# Altium PCB LKS_Motor_0313.PcbDoc (part 2 of 4)
Units mm, origin at the board's own origin, x right, y up, seen from the top; angles counter-clockwise.
Board outline 109.77 x 15.02 mm, 2 copper layers (Top Layer, Bottom Layer); 107 components, 73 nets, 326 pads, 198 vias.
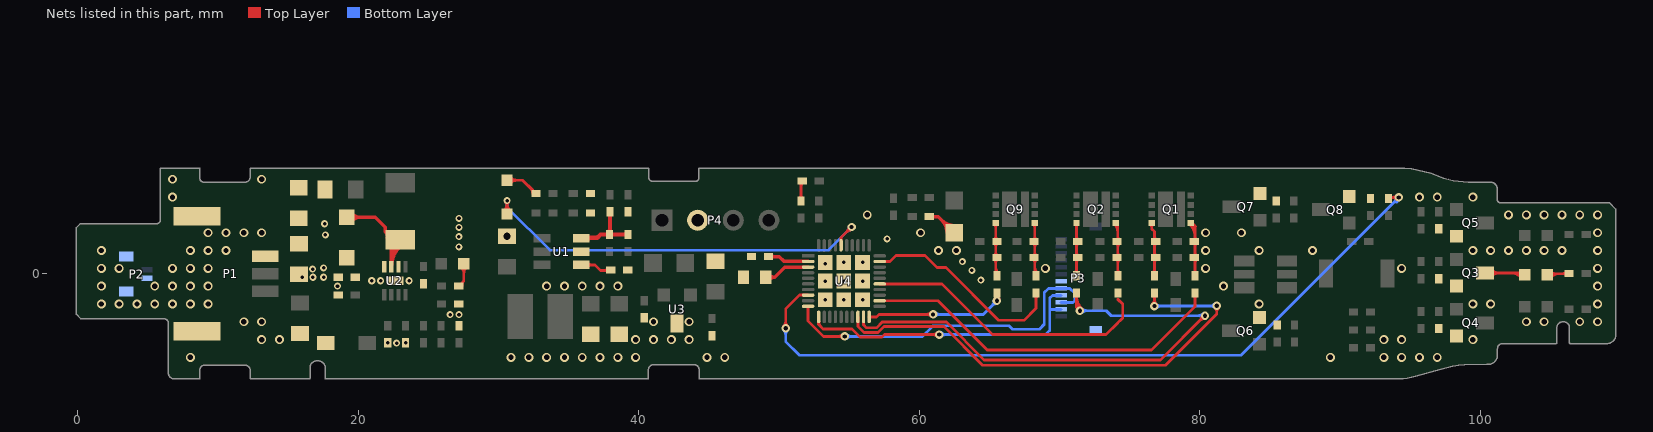
[diagram p2: the nets of this part, all layers, seen from the top]

## Via types
v1: diameter 0.635, hole 0.381, Top Layer to Bottom Layer, tented both sides, 102 vias
v2: diameter 0.6, hole 0.3, Top Layer to Bottom Layer, tented both sides, 36 vias
v3: diameter 0.508, hole 0.254, Top Layer to Bottom Layer, tented both sides, 19 vias
v4: diameter 0.762, hole 0.508, Top Layer to Bottom Layer, 10 vias
v5: diameter 0.5, hole 0.25, Top Layer to Bottom Layer, tented both sides, 8 vias
v6: diameter 0.6, hole 0.3, Top Layer to Bottom Layer, 6 vias
v7: diameter 0.508, hole 0.254, Top Layer to Bottom Layer, 5 vias
v8: diameter 0.5, hole 0.25, Top Layer to Bottom Layer, 4 vias
v9: diameter 0.762, hole 0.508, Top Layer to Bottom Layer, tented both sides, 4 vias
v10: diameter 0.762, hole 0.457, Top Layer to Bottom Layer, tented both sides, 3 vias
v11: diameter 0.508, hole 0.3, Top Layer to Bottom Layer, tented both sides, 1 vias

## Nets (pads, with @x,y where several pads share a name; then routed paths per layer and width w, separated by ;. In a path a pad name is that pad's centre, name@x,y a point inside that pad or via, vN(x,y) a via of type N, cw(c..) or ccw(c..) an arc to the next point about the centre after c; other vN are vias at no path point) (continued)
DCDC_EN: D3.1 U4.36 | length 44.8
  Top Layer w0.2: D3.1@30.607,4.261 v3(30.607,5.207) ; U4.36@54.42,2.02 54.42,2.579 v2(55.169,3.327) ; D3.1@30.395,4.473 ccw(c29.883,4.985) v3@30.607,4.985 ; D3.1@30.395,4.473 ccw(c29.883,4.985) v3@30.607,4.985 ; D3.1@30.395,4.473 ccw(c29.883,4.985) v3@30.607,4.985 ; D3.1@30.395,4.473 ccw(c29.883,4.985) v3@30.607,4.985 ; v3@30.498,5.098 cw(c30.235,4.835) 30.607,4.835 ; v3@30.498,5.098 cw(c30.235,4.835) 30.607,4.835 ; v3@30.498,5.098 cw(c30.235,4.835) 30.607,4.835 ; v3@30.498,5.098 cw(c30.235,4.835) 30.607,4.835 ; 30.607,4.835 cw(c30.979,4.835) v3@30.716,5.098 ; 30.607,4.835 cw(c30.979,4.835) v3@30.716,5.098 ; 30.607,4.835 cw(c30.979,4.835) v3@30.716,5.098 ; 30.607,4.835 cw(c30.979,4.835) v3@30.716,5.098 ; v3@30.607,4.985 ccw(c31.331,4.985) D3.1@30.819,4.473 ; v3@30.607,4.985 ccw(c31.331,4.985) D3.1@30.819,4.473 ; v3@30.607,4.985 ccw(c31.331,4.985) D3.1@30.819,4.473 ; v3@30.607,4.985 ccw(c31.331,4.985) D3.1@30.819,4.473 ; 54.827,2.986 cw(c55.169,2.645) v2@55.169,3.127 ; 54.827,2.986 ccw(c54.486,3.327) v2@54.969,3.327 ; 54.827,2.986 cw(c55.169,2.645) v2@55.169,3.127 ; 54.827,2.986 ccw(c54.486,3.327) v2@54.969,3.327 ; 54.827,2.986 cw(c55.169,2.645) v2@55.169,3.127 ; 54.827,2.986 ccw(c54.486,3.327) v2@54.969,3.327 ; 54.827,2.986 cw(c55.169,2.645) v2@55.169,3.127 ; 54.827,2.986 ccw(c54.486,3.327) v2@54.969,3.327
  Bottom Layer w0.2: v3(30.607,5.207) 30.607,4.724 33.655,1.676 53.518,1.676 v2(55.169,3.327) ; v3@30.498,5.098 cw(c30.235,4.835) 30.607,4.835 ; v3@30.498,5.098 cw(c30.235,4.835) 30.607,4.835 ; v3@30.498,5.098 cw(c30.235,4.835) 30.607,4.835 ; v3@30.498,5.098 cw(c30.235,4.835) 30.607,4.835 ; 30.607,4.835 cw(c30.979,4.835) v3@30.716,5.098 ; 30.607,4.835 cw(c30.979,4.835) v3@30.716,5.098 ; 30.607,4.835 cw(c30.979,4.835) v3@30.716,5.098 ; 30.607,4.835 cw(c30.979,4.835) v3@30.716,5.098 ; 54.827,2.986 cw(c55.169,2.645) v2@55.169,3.127 ; 54.827,2.986 ccw(c54.486,3.327) v2@54.969,3.327 ; 54.827,2.986 cw(c55.169,2.645) v2@55.169,3.127 ; 54.827,2.986 ccw(c54.486,3.327) v2@54.969,3.327 ; 54.827,2.986 cw(c55.169,2.645) v2@55.169,3.127 ; 54.827,2.986 ccw(c54.486,3.327) v2@54.969,3.327 ; 54.827,2.986 cw(c55.169,2.645) v2@55.169,3.127 ; 54.827,2.986 ccw(c54.486,3.327) v2@54.969,3.327
GND: C1.1 C2.1 C3.1 C4.2 C5.1 C6.1 C10.1 C11.1 C12.1 C14.1 C15.1 C23.1 C24.2 C25.1 C26.2 C27.1 C28.2 C29.1 DS1.2 FU1.1 P1.1 P1.4 P1.5 P2.1 P2.3 P2.4 P3.0/2 P3.7 P4.2 Q3.2 Q4.2 Q5.2 Q6.2 Q7.2 Q8.2 R3.2 R9.2 R11.2 R15.1 R16.2 R30.2 R31.2 R35.2 R36.2 R37.2 R38.2 R46.2 R47.1 R49.2 U1.2 U2.2 U2.9 U3.3 U4.0 | length 21.8
  Top Layer w0.24: C27.1@51.562,5.182 51.562,6.514 R49.2@51.652,6.604 ; R47.1@60.708,4.064 61.341,4.064 FU1.1@62.484,2.921 ; C27.1@51.467,5.353 ccw(c51.238,5.581) 51.562,5.581 ; C27.1@51.467,5.353 ccw(c51.238,5.581) 51.562,5.581 ; C27.1@51.467,5.353 ccw(c51.238,5.581) 51.562,5.581 ; C27.1@51.467,5.353 ccw(c51.238,5.581) 51.562,5.581 ; R49.2@51.481,6.509 cw(c51.287,6.315) 51.562,6.315 ; R49.2@51.481,6.509 cw(c51.287,6.315) 51.562,6.315 ; R49.2@51.481,6.509 cw(c51.287,6.315) 51.562,6.315 ; R49.2@51.481,6.509 cw(c51.287,6.315) 51.562,6.315 ; 51.562,5.581 ccw(c51.886,5.581) C27.1@51.657,5.353 ; 51.562,5.581 ccw(c51.886,5.581) C27.1@51.657,5.353 ; 51.562,5.581 ccw(c51.886,5.581) C27.1@51.657,5.353 ; 51.562,5.581 ccw(c51.886,5.581) C27.1@51.657,5.353 ; 51.562,6.246 cw(c51.934,6.246) R49.2@51.671,6.509 ; 51.562,6.246 cw(c51.934,6.246) R49.2@51.671,6.509 ; 51.562,6.246 cw(c51.934,6.246) R49.2@51.671,6.509 ; 51.562,6.246 cw(c51.934,6.246) R49.2@51.671,6.509 ; R47.1@60.879,3.969 cw(c61.107,3.74) 61.107,4.064 ; R47.1@60.879,3.969 cw(c61.107,3.74) 61.107,4.064 ; R47.1@60.879,3.969 cw(c61.107,3.74) 61.107,4.064 ; R47.1@60.879,3.969 cw(c61.107,3.74) 61.107,4.064 ; R47.1@60.879,4.159 ccw(c61.107,4.388) 61.107,4.064 ; R47.1@60.879,4.159 ccw(c61.107,4.388) 61.107,4.064 ; R47.1@60.879,4.159 ccw(c61.107,4.388) 61.107,4.064 ; R47.1@60.879,4.159 ccw(c61.107,4.388) 61.107,4.064 ; 61.605,3.8 cw(c60.726,2.921) FU1.1@61.969,2.921 ; 61.605,3.8 ccw(c62.484,4.679) FU1.1@62.484,3.436 ; 61.605,3.8 cw(c60.726,2.921) FU1.1@61.969,2.921 ; 61.605,3.8 ccw(c62.484,4.679) FU1.1@62.484,3.436 ; 61.605,3.8 cw(c60.726,2.921) FU1.1@61.969,2.921 ; 61.605,3.8 ccw(c62.484,4.679) FU1.1@62.484,3.436 ; 61.605,3.8 cw(c60.726,2.921) FU1.1@61.969,2.921 ; 61.605,3.8 ccw(c62.484,4.679) FU1.1@62.484,3.436 ; FU1.1@62.015,3.39 cw(c61.545,2.921) FU1.1@62.209,2.921 ; FU1.1@62.015,3.39 ccw(c62.484,3.86) FU1.1@62.484,3.196 ; FU1.1@62.015,3.39 cw(c61.545,2.921) FU1.1@62.209,2.921 ; FU1.1@62.015,3.39 ccw(c62.484,3.86) FU1.1@62.484,3.196 ; FU1.1@62.015,3.39 cw(c61.545,2.921) FU1.1@62.209,2.921 ; FU1.1@62.015,3.39 ccw(c62.484,3.86) FU1.1@62.484,3.196 ; FU1.1@62.015,3.39 cw(c61.545,2.921) FU1.1@62.209,2.921 ; FU1.1@62.015,3.39 ccw(c62.484,3.86) FU1.1@62.484,3.196
  other v1: 8.026,-5.969 30.886,-5.969 32.156,-5.969 33.426,-5.969 34.696,-5.969 35.966,-5.969 37.236,-5.969 38.506,-5.969 39.776,-5.969 44.856,-5.969 46.126,-5.969 89.306,-5.969 93.116,-5.969 94.386,-5.969 95.656,-5.969 96.926,-5.969 13.106,-4.699 14.376,-4.699 39.776,-4.699 41.046,-4.699 42.316,-4.699 43.586,-4.699 93.116,-4.699 94.386,-4.699 99.466,-4.699 11.836,-3.429 13.106,-3.429 41.046,-3.429 43.586,-3.429 103.276,-3.429 104.546,-3.429 107.086,-3.429 108.356,-3.429 1.676,-2.159 2.946,-2.159 4.216,-2.159 5.486,-2.159 6.756,-2.159 8.026,-2.159 9.296,-2.159 84.226,-2.159 99.466,-2.159 100.736,-2.159 108.356,-2.159 1.676,-0.889 5.486,-0.889 6.756,-0.889 8.026,-0.889 9.296,-0.889 33.426,-0.889 34.696,-0.889 35.966,-0.889 37.236,-0.889 38.506,-0.889 81.686,-0.889 108.356,-0.889 1.676,0.381 2.946,0.381 6.756,0.381 8.026,0.381 9.296,0.381 68.986,0.381 80.416,0.381 94.386,0.381 108.356,0.381 1.676,1.651 8.026,1.651 9.296,1.651 10.566,1.651 61.366,1.651 62.636,1.651 80.416,1.651 84.226,1.651 88.036,1.651 99.466,1.651 100.736,1.651 102.006,1.651 103.276,1.651 104.546,1.651 105.816,1.651 108.356,1.651 9.296,2.921 10.566,2.921 11.836,2.921 13.106,2.921 60.096,2.921 80.416,2.921 82.956,2.921 108.356,2.921 56.286,4.191 102.006,4.191 103.276,4.191 104.546,4.191 105.816,4.191 107.086,4.191 108.356,4.191 6.756,5.461 95.656,5.461 96.926,5.461 99.466,5.461 6.756,6.731 13.106,6.731
  other v3: 26.543,-2.921 27.178,-2.921 53.29,-1.86 54.62,-1.86 55.95,-1.86 53.29,-0.53 54.62,-0.53 55.95,-0.53 20.955,-0.508 17.526,-0.254 53.29,0.698 54.62,0.8 55.95,0.8 17.653,2.769 27.178,3.302 17.602,3.556 27.178,3.937
  other v4: 30.607,2.667
  other v5: 64.389,-0.457 63.754,0.229 17.526,0.406 63.068,0.864 27.178,1.905 57.709,2.489 27.178,2.642
  other v7: 22.733,-4.953 21.59,-0.508 23.622,-0.508 16.002,-0.254 16.764,-0.254
  other v8: 22.098,-4.928 23.368,-4.928 18.517,-0.889 16.739,0.33
GREEN: R34.2 U4.8 | length 67.6
  Top Layer w0.2: v2(50.47,-3.886) 50.47,-2.515 51.454,-1.53 U4.8@52.07,-1.53 ; R34.2@93.447,5.359 93.523,5.436 v2(94.183,5.436) ; v2@50.328,-3.745 ccw(c49.987,-3.403) 50.47,-3.403 ; v2@50.328,-3.745 ccw(c49.987,-3.403) 50.47,-3.403 ; v2@50.328,-3.745 ccw(c49.987,-3.403) 50.47,-3.403 ; v2@50.328,-3.745 ccw(c49.987,-3.403) 50.47,-3.403 ; 50.47,-3.403 ccw(c50.953,-3.403) v2@50.611,-3.745 ; 50.47,-3.403 ccw(c50.953,-3.403) v2@50.611,-3.745 ; 50.47,-3.403 ccw(c50.953,-3.403) v2@50.611,-3.745 ; 50.47,-3.403 ccw(c50.953,-3.403) v2@50.611,-3.745 ; R34.2@93.555,5.327 cw(c93.818,5.064) 93.818,5.436 ; R34.2@93.555,5.327 cw(c93.818,5.064) 93.818,5.436 ; R34.2@93.555,5.327 cw(c93.818,5.064) 93.818,5.436 ; R34.2@93.555,5.327 cw(c93.818,5.064) 93.818,5.436 ; R34.2@93.555,5.544 ccw(c93.818,5.807) 93.818,5.436 ; R34.2@93.555,5.544 ccw(c93.818,5.807) 93.818,5.436 ; R34.2@93.555,5.544 ccw(c93.818,5.807) 93.818,5.436 ; R34.2@93.555,5.544 ccw(c93.818,5.807) 93.818,5.436 ; R34.2@93.7,5.436 cw(c93.7,4.953) 94.042,5.294 ccw(c93.7,4.953) R34.2@93.7,5.436 ; R34.2@93.7,5.436 ccw(c93.7,5.918) 94.042,5.577 cw(c93.7,5.918) R34.2@93.7,5.436 ; 93.878,5.436 cw(c93.878,4.953) 94.22,5.294 ccw(c93.878,4.953) 93.878,5.436 ; 93.878,5.436 ccw(c93.878,5.918) 94.22,5.577 cw(c93.878,5.918) 93.878,5.436
  Bottom Layer w0.2: v2(50.47,-3.886) 50.47,-4.826 51.46,-5.817 82.931,-5.817 v2(94.183,5.436) ; v2@50.328,-4.028 cw(c49.987,-4.369) 50.47,-4.369 ; v2@50.328,-4.028 cw(c49.987,-4.369) 50.47,-4.369 ; v2@50.328,-4.028 cw(c49.987,-4.369) 50.47,-4.369 ; v2@50.328,-4.028 cw(c49.987,-4.369) 50.47,-4.369 ; 50.47,-4.369 cw(c50.953,-4.369) v2@50.611,-4.028 ; 50.47,-4.369 cw(c50.953,-4.369) v2@50.611,-4.028 ; 50.47,-4.369 cw(c50.953,-4.369) v2@50.611,-4.028 ; 50.47,-4.369 cw(c50.953,-4.369) v2@50.611,-4.028 ; 93.842,5.094 cw(c94.183,4.753) 94.183,5.236 ccw(c94.183,4.753) 93.842,5.094 ; 93.842,5.094 ccw(c93.5,5.436) 93.983,5.436 cw(c93.5,5.436) 93.842,5.094 ; 94.02,5.094 ccw(c93.678,5.436) 94.161,5.436 cw(c93.678,5.436) 94.02,5.094
HO1: R39.2 U4.29 | length 17
  Top Layer w0.2: U4.29@57.17,0.87 57.918,0.87 58.344,1.295 60.401,1.295 61.262,0.435 61.897,0.435 65.659,-3.327 67.462,-3.327 68.326,-2.464 R39.2@68.326,-1.372 ; R39.2@68.217,-1.557 cw(c67.954,-1.82) 68.326,-1.82 ; R39.2@68.217,-1.557 cw(c67.954,-1.82) 68.326,-1.82 ; R39.2@68.217,-1.557 cw(c67.954,-1.82) 68.326,-1.82 ; R39.2@68.217,-1.557 cw(c67.954,-1.82) 68.326,-1.82 ; 68.326,-1.82 cw(c68.698,-1.82) R39.2@68.435,-1.557 ; 68.326,-1.82 cw(c68.698,-1.82) R39.2@68.435,-1.557 ; 68.326,-1.82 cw(c68.698,-1.82) R39.2@68.435,-1.557 ; 68.326,-1.82 cw(c68.698,-1.82) R39.2@68.435,-1.557
HO2: R17.2 U4.25 | length 21
  Top Layer w0.2: U4.25@57.17,-0.73 61.614,-0.73 65.227,-4.343 73.304,-4.343 74.144,-3.504 ; 73.977,-3.67 74.498,-3.15 74.498,-2.174 74.144,-1.82
HO3: R4.2 U4.22 | length 28.5
  Top Layer w0.2: U4.22@57.17,-1.93 61.341,-1.93 64.846,-5.436 76.556,-5.436 79.65,-2.342 R4.2@79.65,-1.372 ; R4.2@79.541,-1.557 cw(c79.278,-1.82) 79.65,-1.82 ; R4.2@79.541,-1.557 cw(c79.278,-1.82) 79.65,-1.82 ; R4.2@79.541,-1.557 cw(c79.278,-1.82) 79.65,-1.82 ; R4.2@79.541,-1.557 cw(c79.278,-1.82) 79.65,-1.82 ; 79.65,-1.82 cw(c80.021,-1.82) R4.2@79.758,-1.557 ; 79.65,-1.82 cw(c80.021,-1.82) R4.2@79.758,-1.557 ; 79.65,-1.82 cw(c80.021,-1.82) R4.2@79.758,-1.557 ; 79.65,-1.82 cw(c80.021,-1.82) R4.2@79.758,-1.557
LH_OUT_01: P3.8 P3.10 U4.10 | length 31.4
  Top Layer w0.2: U4.10@52.07,-2.33 52.07,-3.378 53.162,-4.47 v2(54.686,-4.47) ; 54.203,-4.47 cw(c54.203,-4.953) v2@54.545,-4.612 ; 54.203,-4.47 ccw(c54.203,-3.988) v2@54.545,-4.329 ; 54.203,-4.47 cw(c54.203,-4.953) v2@54.545,-4.612 ; 54.203,-4.47 ccw(c54.203,-3.988) v2@54.545,-4.329 ; 54.203,-4.47 cw(c54.203,-4.953) v2@54.545,-4.612 ; 54.203,-4.47 ccw(c54.203,-3.988) v2@54.545,-4.329 ; 54.203,-4.47 cw(c54.203,-4.953) v2@54.545,-4.612 ; 54.203,-4.47 ccw(c54.203,-3.988) v2@54.545,-4.329
  Bottom Layer w0.2: v2(54.686,-4.47) 60.223,-4.47 60.617,-4.077 ; 60.477,-4.216 60.617,-4.077 ; P3.10@70.104,-2.048 70.952,-2.048 71.095,-1.905 71.095,-1.422 70.72,-1.048 P3.8@70.104,-1.048 69.208,-1.048 68.91,-1.346 68.91,-3.607 68.555,-3.962 66.65,-3.962 66.396,-3.708 60.985,-3.708 60.617,-4.077 ; v2@54.828,-4.612 cw(c55.169,-4.953) 55.169,-4.47 ; v2@54.828,-4.612 cw(c55.169,-4.953) 55.169,-4.47 ; v2@54.828,-4.612 cw(c55.169,-4.953) 55.169,-4.47 ; v2@54.828,-4.612 cw(c55.169,-4.953) 55.169,-4.47 ; v2@54.828,-4.329 ccw(c55.169,-3.988) 55.169,-4.47 ; v2@54.828,-4.329 ccw(c55.169,-3.988) 55.169,-4.47 ; v2@54.828,-4.329 ccw(c55.169,-3.988) 55.169,-4.47 ; v2@54.828,-4.329 ccw(c55.169,-3.988) 55.169,-4.47
LH_OUT_02: P3.9 P3.11 U4.11 | length 29.4
  Top Layer w0.2: U4.11@52.82,-3.08 52.82,-3.62 53.137,-3.937 55.194,-3.937 55.778,-4.521 57.328,-4.521 57.506,-4.343 v2(61.417,-4.343) ; U4.11@52.84,-3.41 ccw(c53.396,-3.41) 53.003,-3.803 ; U4.11@52.84,-3.41 ccw(c53.396,-3.41) 53.003,-3.803 ; U4.11@52.84,-3.41 ccw(c53.396,-3.41) 53.003,-3.803 ; U4.11@52.84,-3.41 ccw(c53.396,-3.41) 53.003,-3.803 ; 60.934,-4.343 cw(c60.934,-4.826) v2@61.276,-4.485 ; 60.934,-4.343 ccw(c60.934,-3.861) v2@61.276,-4.202 ; 60.934,-4.343 cw(c60.934,-4.826) v2@61.276,-4.485 ; 60.934,-4.343 ccw(c60.934,-3.861) v2@61.276,-4.202 ; 60.934,-4.343 cw(c60.934,-4.826) v2@61.276,-4.485 ; 60.934,-4.343 ccw(c60.934,-3.861) v2@61.276,-4.202 ; 60.934,-4.343 cw(c60.934,-4.826) v2@61.276,-4.485 ; 60.934,-4.343 ccw(c60.934,-3.861) v2@61.276,-4.202
  Bottom Layer w0.2: v2(61.417,-4.343) 69.012,-4.343 69.291,-4.064 69.291,-2.642 ; P3.11@70.104,-2.548 69.385,-2.548 69.291,-2.642 ; P3.9@70.104,-1.548 69.496,-1.548 69.291,-1.753 69.291,-2.642 ; v2@61.559,-4.485 cw(c61.9,-4.826) 61.9,-4.343 ; v2@61.559,-4.485 cw(c61.9,-4.826) 61.9,-4.343 ; v2@61.559,-4.485 cw(c61.9,-4.826) 61.9,-4.343 ; v2@61.559,-4.485 cw(c61.9,-4.826) 61.9,-4.343 ; v2@61.559,-4.202 ccw(c61.9,-3.861) 61.9,-4.343 ; v2@61.559,-4.202 ccw(c61.9,-3.861) 61.9,-4.343 ; v2@61.559,-4.202 ccw(c61.9,-3.861) 61.9,-4.343 ; v2@61.559,-4.202 ccw(c61.9,-3.861) 61.9,-4.343
LO1: R41.2 U4.20 | length 24.6
  Top Layer w0.2: U4.20@56.42,-3.08 56.947,-3.08 57.125,-2.902 v2(60.979,-2.902) ; v2(65.532,-1.93) R41.2@65.532,-1.372 ; 60.496,-2.902 cw(c60.496,-3.385) v2@60.837,-3.044 ; 60.496,-2.902 ccw(c60.496,-2.419) v2@60.837,-2.761 ; 60.496,-2.902 cw(c60.496,-3.385) v2@60.837,-3.044 ; 60.496,-2.902 ccw(c60.496,-2.419) v2@60.837,-2.761 ; 60.496,-2.902 cw(c60.496,-3.385) v2@60.837,-3.044 ; 60.496,-2.902 ccw(c60.496,-2.419) v2@60.837,-2.761 ; 60.496,-2.902 cw(c60.496,-3.385) v2@60.837,-3.044 ; 60.496,-2.902 ccw(c60.496,-2.419) v2@60.837,-2.761 ; v2@65.391,-1.789 ccw(c65.049,-1.448) R41.2@65.532,-1.448 ; v2@65.391,-1.789 ccw(c65.049,-1.448) R41.2@65.532,-1.448 ; v2@65.391,-1.789 ccw(c65.049,-1.448) R41.2@65.532,-1.448 ; v2@65.391,-1.789 ccw(c65.049,-1.448) R41.2@65.532,-1.448 ; R41.2@65.423,-1.557 cw(c65.16,-1.82) v2@65.532,-1.82 ; R41.2@65.423,-1.557 cw(c65.16,-1.82) v2@65.532,-1.82 ; R41.2@65.423,-1.557 cw(c65.16,-1.82) v2@65.532,-1.82 ; R41.2@65.423,-1.557 cw(c65.16,-1.82) v2@65.532,-1.82 ; v2@65.532,-1.82 cw(c65.904,-1.82) R41.2@65.641,-1.557 ; v2@65.532,-1.82 cw(c65.904,-1.82) R41.2@65.641,-1.557 ; v2@65.532,-1.82 cw(c65.904,-1.82) R41.2@65.641,-1.557 ; v2@65.532,-1.82 cw(c65.904,-1.82) R41.2@65.641,-1.557 ; R41.2@65.532,-1.448 ccw(c66.015,-1.448) v2@65.673,-1.789 ; R41.2@65.532,-1.448 ccw(c66.015,-1.448) v2@65.673,-1.789 ; R41.2@65.532,-1.448 ccw(c66.015,-1.448) v2@65.673,-1.789 ; R41.2@65.532,-1.448 ccw(c66.015,-1.448) v2@65.673,-1.789
  Bottom Layer w0.2: v2(60.979,-2.902) 64.56,-2.902 v2(65.532,-1.93) ; v2@61.12,-3.044 cw(c61.462,-3.385) 61.462,-2.902 ; v2@61.12,-3.044 cw(c61.462,-3.385) 61.462,-2.902 ; v2@61.12,-3.044 cw(c61.462,-3.385) 61.462,-2.902 ; v2@61.12,-3.044 cw(c61.462,-3.385) 61.462,-2.902 ; v2@61.12,-2.761 ccw(c61.462,-2.419) 61.462,-2.902 ; v2@61.12,-2.761 ccw(c61.462,-2.419) 61.462,-2.902 ; v2@61.12,-2.761 ccw(c61.462,-2.419) 61.462,-2.902 ; v2@61.12,-2.761 ccw(c61.462,-2.419) 61.462,-2.902 ; 65.191,-2.272 cw(c65.532,-2.613) v2@65.532,-2.13 ; 65.191,-2.272 ccw(c64.849,-1.93) v2@65.332,-1.93 ; 65.191,-2.272 cw(c65.532,-2.613) v2@65.532,-2.13 ; 65.191,-2.272 ccw(c64.849,-1.93) v2@65.332,-1.93 ; 65.191,-2.272 cw(c65.532,-2.613) v2@65.532,-2.13 ; 65.191,-2.272 ccw(c64.849,-1.93) v2@65.332,-1.93 ; 65.191,-2.272 cw(c65.532,-2.613) v2@65.532,-2.13 ; 65.191,-2.272 ccw(c64.849,-1.93) v2@65.332,-1.93
LO2: R22.2 U4.19 | length 56.4
  Top Layer w0.2: U4.19@56.02,-3.08 56.02,-3.645 56.236,-3.861 56.947,-3.861 57.353,-3.454 61.925,-3.454 64.618,-6.147 77.191,-6.147 80.34,-2.997 v2(80.366,-2.997) ; R22.2@71.196,-1.372 71.196,-2.388 v2(71.45,-2.642) ; R22.2@71.087,-1.557 cw(c70.824,-1.82) 71.196,-1.82 ; R22.2@71.087,-1.557 cw(c70.824,-1.82) 71.196,-1.82 ; R22.2@71.087,-1.557 cw(c70.824,-1.82) 71.196,-1.82 ; R22.2@71.087,-1.557 cw(c70.824,-1.82) 71.196,-1.82 ; 71.196,-2.028 ccw(c72.063,-2.028) v2(71.45,-2.642) ; 71.196,-2.028 ccw(c72.063,-2.028) v2(71.45,-2.642) ; 71.196,-2.028 ccw(c72.063,-2.028) v2(71.45,-2.642) ; 71.196,-2.028 ccw(c72.063,-2.028) v2(71.45,-2.642) ; 71.196,-1.82 cw(c71.568,-1.82) R22.2@71.305,-1.557 ; 71.196,-1.82 cw(c71.568,-1.82) R22.2@71.305,-1.557 ; 71.196,-1.82 cw(c71.568,-1.82) R22.2@71.305,-1.557 ; 71.196,-1.82 cw(c71.568,-1.82) R22.2@71.305,-1.557 ; R22.2@71.196,-1.546 ccw(c72.546,-1.546) v2@71.592,-2.5 ; R22.2@71.196,-1.546 ccw(c72.546,-1.546) v2@71.592,-2.5 ; R22.2@71.196,-1.546 ccw(c72.546,-1.546) v2@71.592,-2.5 ; R22.2@71.196,-1.546 ccw(c72.546,-1.546) v2@71.592,-2.5 ; 79.981,-3.357 cw(c80.366,-3.741) v2@80.366,-3.197 ; 79.981,-3.357 cw(c80.366,-3.741) v2@80.366,-3.197 ; 79.981,-3.357 cw(c80.366,-3.741) v2@80.366,-3.197 ; 79.981,-3.357 cw(c80.366,-3.741) v2@80.366,-3.197 ; 80.042,-3.295 ccw(c79.744,-2.997) v2@80.166,-2.997 ; 80.042,-3.295 ccw(c79.744,-2.997) v2@80.166,-2.997 ; 80.042,-3.295 ccw(c79.744,-2.997) v2@80.166,-2.997 ; 80.042,-3.295 ccw(c79.744,-2.997) v2@80.166,-2.997
  Bottom Layer w0.2: v2(71.45,-2.642) 73.33,-2.642 73.685,-2.997 v2(80.366,-2.997) ; v2@71.592,-2.783 cw(c71.933,-3.124) 71.933,-2.642 ; v2@71.592,-2.783 cw(c71.933,-3.124) 71.933,-2.642 ; v2@71.592,-2.783 cw(c71.933,-3.124) 71.933,-2.642 ; v2@71.592,-2.783 cw(c71.933,-3.124) 71.933,-2.642 ; v2@71.592,-2.5 ccw(c71.933,-2.159) 71.933,-2.642 ; v2@71.592,-2.5 ccw(c71.933,-2.159) 71.933,-2.642 ; v2@71.592,-2.5 ccw(c71.933,-2.159) 71.933,-2.642 ; v2@71.592,-2.5 ccw(c71.933,-2.159) 71.933,-2.642 ; 79.883,-2.997 cw(c79.883,-3.48) v2@80.224,-3.139 ; 79.883,-2.997 ccw(c79.883,-2.514) v2@80.224,-2.856 ; 79.883,-2.997 cw(c79.883,-3.48) v2@80.224,-3.139 ; 79.883,-2.997 ccw(c79.883,-2.514) v2@80.224,-2.856 ; 79.883,-2.997 cw(c79.883,-3.48) v2@80.224,-3.139 ; 79.883,-2.997 ccw(c79.883,-2.514) v2@80.224,-2.856 ; 79.883,-2.997 cw(c79.883,-3.48) v2@80.224,-3.139 ; 79.883,-2.997 ccw(c79.883,-2.514) v2@80.224,-2.856
LO3: R10.2 U4.18 | length 49.7
  Top Layer w0.2: U4.18@55.62,-3.08 55.62,-3.753 56.058,-4.191 57.048,-4.191 57.48,-3.759 61.747,-3.759 64.516,-6.528 77.546,-6.528 81.204,-2.87 v2(81.204,-2.286) ; v2@76.756,-2.308 R10.2@76.756,-1.372 ; v2@76.617,-2.17 ccw(c76.284,-1.836) 76.756,-1.836 ; v2@76.617,-2.17 ccw(c76.284,-1.836) 76.756,-1.836 ; v2@76.617,-2.17 ccw(c76.284,-1.836) 76.756,-1.836 ; v2@76.617,-2.17 ccw(c76.284,-1.836) 76.756,-1.836 ; R10.2@76.647,-1.557 cw(c76.384,-1.82) 76.756,-1.82 ; R10.2@76.647,-1.557 cw(c76.384,-1.82) 76.756,-1.82 ; R10.2@76.647,-1.557 cw(c76.384,-1.82) 76.756,-1.82 ; R10.2@76.647,-1.557 cw(c76.384,-1.82) 76.756,-1.82 ; 76.756,-1.821 ccw(c77.249,-1.821) v2@76.9,-2.17 ; 76.756,-1.821 ccw(c77.249,-1.821) v2@76.9,-2.17 ; 76.756,-1.821 ccw(c77.249,-1.821) v2@76.9,-2.17 ; 76.756,-1.821 ccw(c77.249,-1.821) v2@76.9,-2.17 ; 76.756,-1.82 cw(c77.127,-1.82) R10.2@76.864,-1.557 ; 76.756,-1.82 cw(c77.127,-1.82) R10.2@76.864,-1.557 ; 76.756,-1.82 cw(c77.127,-1.82) R10.2@76.864,-1.557 ; 76.756,-1.82 cw(c77.127,-1.82) R10.2@76.864,-1.557 ; v2@81.062,-2.427 cw(c80.721,-2.769) 81.204,-2.769 ; v2@81.062,-2.427 cw(c80.721,-2.769) 81.204,-2.769 ; v2@81.062,-2.427 cw(c80.721,-2.769) 81.204,-2.769 ; v2@81.062,-2.427 cw(c80.721,-2.769) 81.204,-2.769 ; 81.204,-2.769 cw(c81.687,-2.769) v2@81.345,-2.427 ; 81.204,-2.769 cw(c81.687,-2.769) v2@81.345,-2.427 ; 81.204,-2.769 cw(c81.687,-2.769) v2@81.345,-2.427 ; 81.204,-2.769 cw(c81.687,-2.769) v2@81.345,-2.427
  Bottom Layer w0.2: v2(76.759,-2.311) 81.178,-2.311 v2(81.204,-2.286) ; v2@76.9,-2.453 cw(c77.242,-2.794) 77.242,-2.311 ; v2@76.9,-2.453 cw(c77.242,-2.794) 77.242,-2.311 ; v2@76.9,-2.453 cw(c77.242,-2.794) 77.242,-2.311 ; v2@76.9,-2.453 cw(c77.242,-2.794) 77.242,-2.311 ; v2@76.9,-2.17 ccw(c77.242,-1.829) 77.242,-2.311 ; v2@76.9,-2.17 ccw(c77.242,-1.829) 77.242,-2.311 ; v2@76.9,-2.17 ccw(c77.242,-1.829) 77.242,-2.311 ; v2@76.9,-2.17 ccw(c77.242,-1.829) 77.242,-2.311 ; 80.66,-2.311 ccw(c80.66,-1.742) v2@81.062,-2.145 ; 80.66,-2.311 ccw(c80.66,-1.742) v2@81.062,-2.145 ; 80.66,-2.311 ccw(c80.66,-1.742) v2@81.062,-2.145 ; 80.66,-2.311 ccw(c80.66,-1.742) v2@81.062,-2.145 ; 80.782,-2.311 cw(c80.782,-2.708) v2@81.062,-2.427 ; 80.782,-2.311 cw(c80.782,-2.708) v2@81.062,-2.427 ; 80.782,-2.311 cw(c80.782,-2.708) v2@81.062,-2.427 ; 80.782,-2.311 cw(c80.782,-2.708) v2@81.062,-2.427
NetC1_2: C1.2 U1.1 | length 7.6
  Top Layer w0.2: U1.1@35.893,0.625 36.866,0.625 37.262,0.229 37.973,0.229 C1.2@37.998,0.254 ; U1.1@36.335,0.483 cw(c36.676,0.142) 36.676,0.625 ; U1.1@36.335,0.483 cw(c36.676,0.142) 36.676,0.625 ; U1.1@36.335,0.483 cw(c36.676,0.142) 36.676,0.625 ; U1.1@36.335,0.483 cw(c36.676,0.142) 36.676,0.625 ; U1.1@36.335,0.766 ccw(c36.676,1.108) 36.676,0.625 ; U1.1@36.335,0.766 ccw(c36.676,1.108) 36.676,0.625 ; U1.1@36.335,0.766 ccw(c36.676,1.108) 36.676,0.625 ; U1.1@36.335,0.766 ccw(c36.676,1.108) 36.676,0.625 ; 37.489,0.229 ccw(c37.489,0.687) C1.2@37.813,0.363 ; 37.489,0.229 ccw(c37.489,0.687) C1.2@37.813,0.363 ; 37.489,0.229 ccw(c37.489,0.687) C1.2@37.813,0.363 ; 37.489,0.229 ccw(c37.489,0.687) C1.2@37.813,0.363 ; 37.612,0.229 cw(c37.612,-0.056) C1.2@37.813,0.145 ; 37.612,0.229 cw(c37.612,-0.056) C1.2@37.813,0.145 ; 37.612,0.229 cw(c37.612,-0.056) C1.2@37.813,0.145 ; 37.612,0.229 cw(c37.612,-0.056) C1.2@37.813,0.145